# KiCad board data-center-dram-tester.kicad_pcb (continued)
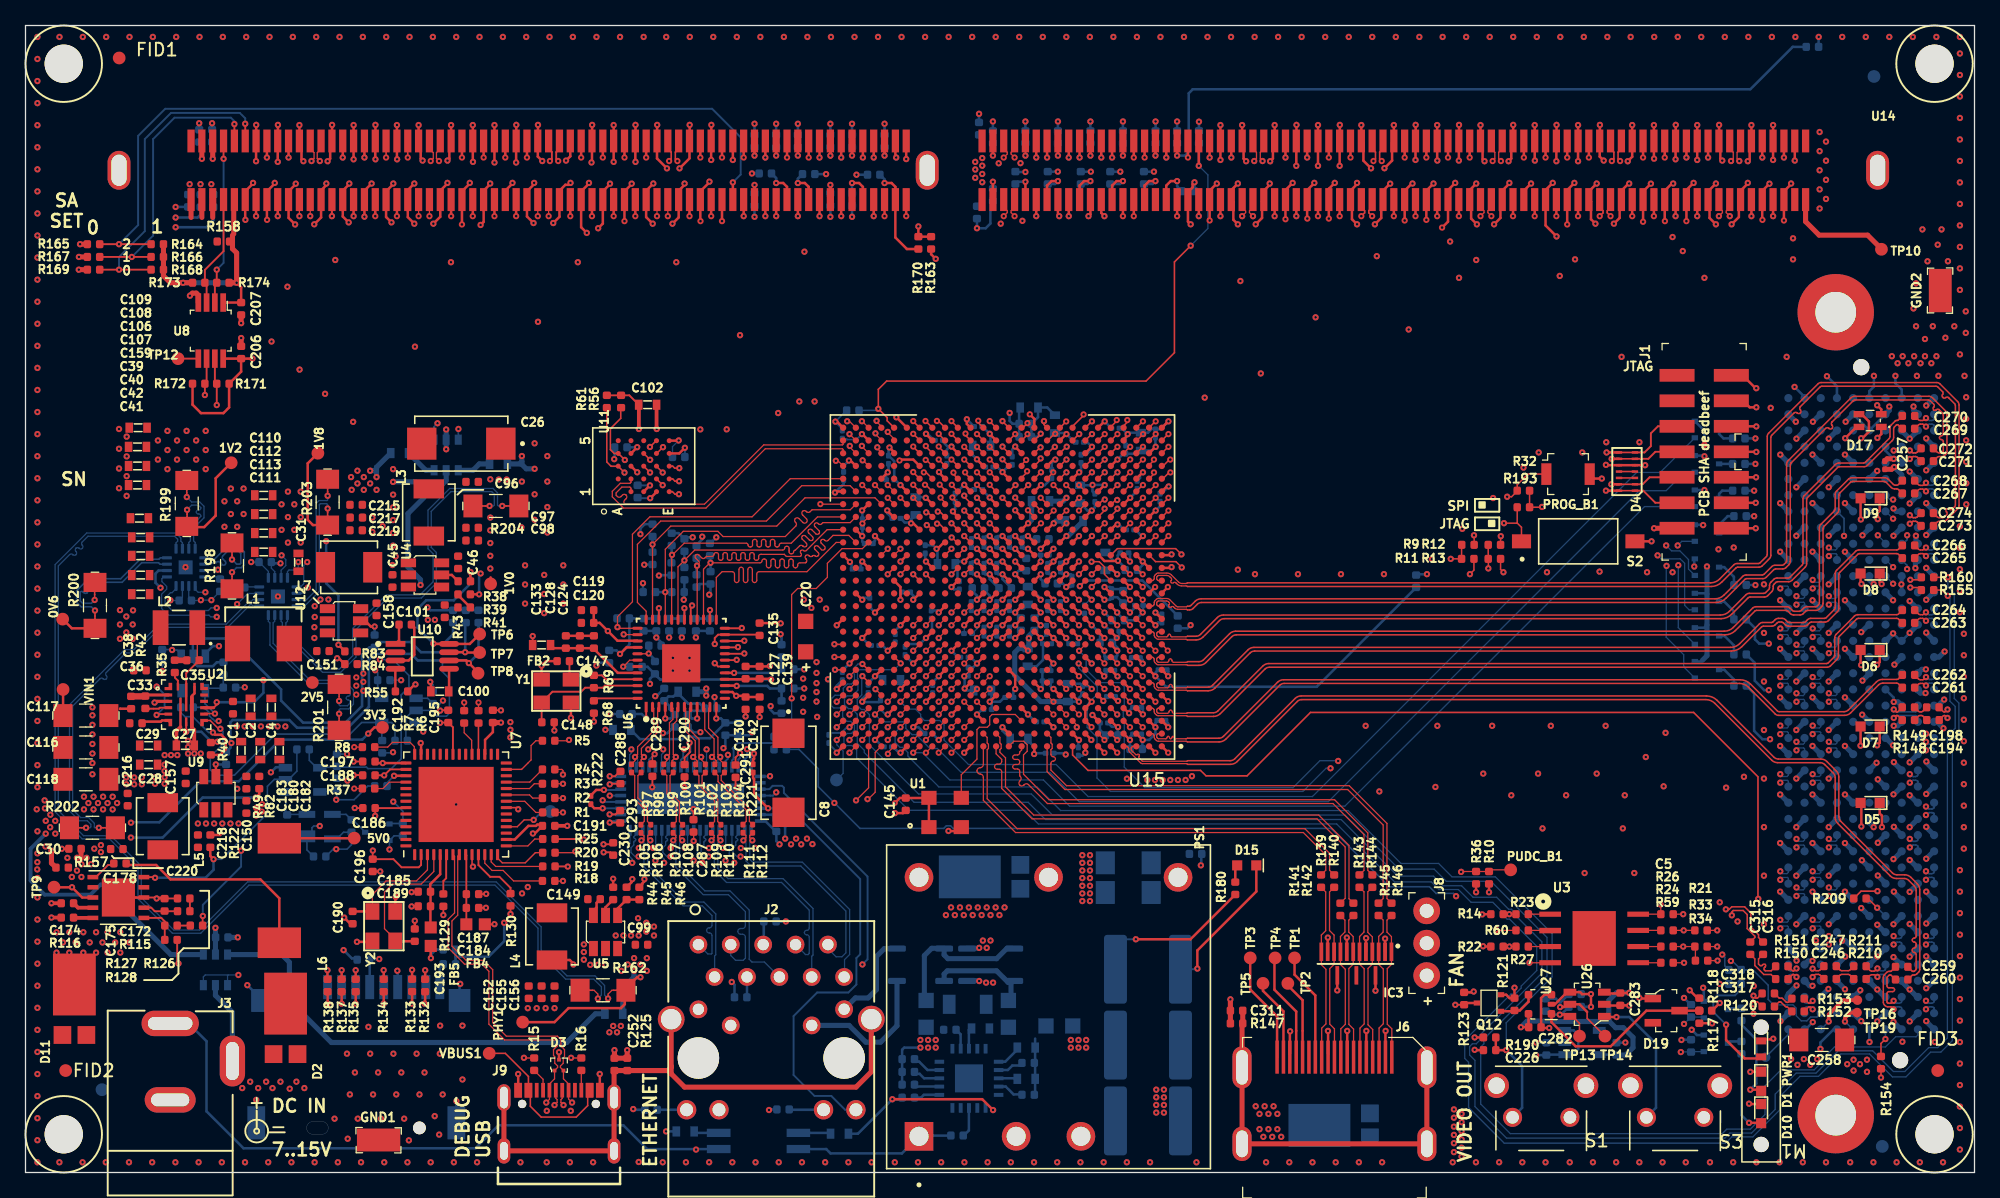
[diagram p0: board, top side]
## Nets (continued)
SD_DAT1: J7.8 R132.2 U15.F8
SD_DAT2: J7.1 R138.2 U15.C9
SD_DAT3: J7.2 R137.2 U15.D9
SDA_2V5: R173.2 U8.3 U14.285
SDA_3V3: R172.2 U8.6 U15.D26 U19.5 U20.5
TCK_JTAG: D4.13 J1.6 R18.2 U15.L8
TDI_JTAG: D4.8 J1.10 R19.2 U15.R6
TDO_JTAG: D4.9 J1.8 R20.2 U15.R7
TMDS_CLK_N: R139.1 U15.A15
TMDS_CLK_P: R140.1 U15.B15
TMDS_D0_N: R141.1 U15.A14
TMDS_D0_P: R142.1 U15.B14
TMDS_D1_N: R143.1 U15.A12
TMDS_D1_P: R144.1 U15.A13
TMDS_D2_N: R145.1 U15.A10
TMDS_D2_P: R146.1 U15.B10
TMS_JTAG: D4.14 J1.4 R25.2 U15.N8
UART0_RX: R6.2 U15.F25
UART0_TX: R7.2 U15.E26
UART1_RX: R8.2 U15.A24
UART1_TX: R37.2 U15.A23
USR_LED1: Q2.1 U15.D21
USR_LED2: Q4.1 U15.B20
USR_LED3: Q3.1 U15.B21
USR_LED4: Q5.1 U15.C22
USR_LED5: Q6.1 U15.E22
VPP: C110.1 C111.1 C112.1 C113.1 C199.1 C200.1 C201.1 C202.1 C203.1 NT5.2 R158.1 R198.2 U14.142 U14.143 U14.286 U14.287 U14.288
VREF_33: C18.1 C146.1 R65.2 R66.1 U15.AE11
VREFCA: U14.146
VRN: R63.1 U15.U9
VRP: R64.1 U15.V12
VTT: C204.1 C205.1 NT6.2 R200.2 U14.77 U14.221
~{ACT}: U14.62 U15.Y8
~{ALERT}: U14.208 U15.AE10
~{CAS}\A15: U14.86 U15.AF13
~{CS0}: U14.84 U15.V9
~{CS1}\NC: U14.89 U15.Y11
~{CS2}\C0: U14.93 U15.V11
~{CS3}\C1,NC: U14.237 U15.W11
~{EVENT}: R163.2 R170.2 U14.78
~{PERST}: J5.D8 R209.1 U15.A8
~{RAS}\A16: U14.82 U15.AA12
~{RESET}: U14.58 U15.AF8
~{SAVE}: U14.230 U15.Y10
~{WE}\A14: U14.228 U15.AA13
Net-(C35-Pad1): C35.1 L2.1 U2.17
Net-(C35-Pad2): C35.2 R35.2
Net-(C46-Pad1): C46.1 L3.1 U4.2
Net-(C46-Pad2): C46.2 U4.6
Net-(C100-Pad2): C100.2 U10.5
Net-(C147-Pad1): C147.1 R69.1 U6.45 Y1.1
Net-(C148-Pad1): C148.1 R69.2 U6.46 Y1.3
Net-(C149-Pad1): C149.1 L4.1 U5.2
Net-(C149-Pad2): C149.2 U5.6
Net-(C157-Pad1): C157.1 L5.1 U9.2
Net-(C157-Pad2): C157.2 U9.6
Net-(C158-Pad1): C158.1 L7.1 U12.2
Net-(C158-Pad2): C158.2 U12.6
Net-(C172-Pad1): C172.1 R115.2
Net-(C174-Pad1): C174.1 IC1.4
Net-(C175-Pad1): C175.1 IC1.7 R115.1
Net-(C178-Pad1): C178.1 D2.C IC1.9 L6.1
Net-(C178-Pad2): C178.2 IC1.1
Net-(C184-Pad1): C184.1 C187.1 FB4.2 U7.9
Net-(C185-Pad1): C185.1 C189.1 FB5.2 U7.5
Net-(C190-Pad1): C190.1 U7.3 Y2.1
Net-(C193-Pad1): C193.1 U7.4 Y2.3
Net-(C221-Pad1): C221.1 J2.4
Net-(C312-Pad1): C312.1 J2.5
Net-(D1-Pad2): D1.2 R30.1
Net-(D5-Pad2): D5.2 R50.1
Net-(D6-Pad2): D6.2 R51.1
Net-(D7-Pad2): D7.2 R52.1
Net-(D8-Pad2): D8.2 R53.1
Net-(D9-Pad2): D9.2 R54.1
Net-(D10-Pad2): D10.2 R31.1
Net-(D15-Pad1): D15.1 R180.1
Net-(D17-Pad2): D17.2 R189.1
Net-(D17-Pad3): D17.3 R188.1
Net-(D17-Pad4): D17.4 R187.1
Net-(D19-Pad3): D19.3 R117.2 R118.2 R120.2 U27.1
Net-(IC1-Pad5): IC1.5 R116.2
Net-(IC1-Pad6): IC1.6 R127.2 R128.1
Net-(IC2-Pad2): IC2.2 R184.1
Net-(IC2-Pad3): IC2.3 R183.2
Net-(J2-Pad15): J2.15 R67.1
Net-(J2-Pad17): J2.17 R62.1
Net-(J5-PadD1): J5.D1 R154.1
Net-(J5-PadF1): J5.F1 TP19.1
Net-(J5-PadH1): J5.H1 TP16.1
Net-(J5-PadK1): J5.K1 TP15.1
Net-(J6-Pad13): J6.13 TP1.1
Net-(J6-Pad15): J6.15 TP2.1
Net-(J6-Pad16): J6.16 TP4.1
Net-(J6-Pad18): J6.18 TP5.1
Net-(J6-Pad19): J6.19 TP3.1
Net-(J7-Pad9): J7.9 R136.2
Net-(J9-PadA5): J9.A5 R15.2
Net-(J9-PadB5): J9.B5 R16.1
Net-(L1-Pad1): L1.1 U2.15
Net-(PWR1-Pad2): PWR1.2 R119.1
Net-(Q1-Pad3): Q1.3 R187.2
Net-(Q2-Pad3): Q2.3 R50.2
Net-(Q3-Pad3): Q3.3 R51.2
Net-(Q4-Pad3): Q4.3 R52.2
Net-(Q5-Pad3): Q5.3 R53.2
Net-(Q6-Pad3): Q6.3 R54.2
Net-(Q7-Pad3): Q7.3 R30.2
Net-(Q8-Pad3): Q8.3 R31.2
Net-(Q9-Pad3): Q9.3 R188.2
Net-(Q10-Pad3): Q10.3 R189.2
Net-(Q11-Pad3): Q11.3 R192.2 U18.3
Net-(Q12-Pad1): Q12.1 R121.1 U27.4
Net-(R1-Pad1): R1.1 U7.22
Net-(R2-Pad1): R2.1 U7.23
Net-(R3-Pad1): R3.1 U7.24
Net-(R4-Pad1): R4.1 U7.25
Net-(R5-Pad1): R5.1 U7.27
Net-(R6-Pad1): R6.1 U7.32
Net-(R7-Pad1): R7.1 U7.33
Net-(R8-Pad1): R8.1 U7.42
Net-(R17-Pad1): R17.1 U17.6
Net-(R18-Pad1): R18.1 U7.12
Net-(R19-Pad1): R19.1 U7.13
Net-(R20-Pad1): R20.1 U7.14
Net-(R23-Pad1): R23.1 U3.1
Net-(R24-Pad1): R24.1 U3.6
Net-(R25-Pad1): R25.1 U7.15
Net-(R26-Pad1): R26.1 U3.7
Net-(R27-Pad1): R27.1 U3.3
Net-(R29-Pad1): R29.1 U17.4
Net-(R35-Pad1): R35.1 U2.18
Net-(R37-Pad1): R37.1 U7.46
Net-(R38-Pad2): R38.2 U4.5
Net-(R39-Pad2): R39.2 R41.1
Net-(R40-Pad1): R40.1 U2.8
Net-(R41-Pad2): R41.2 R43.1 U4.4
Net-(R42-Pad1): R42.1 U2.4
Net-(R44-Pad2): R44.2 U5.5
Net-(R45-Pad2): R45.2 R46.1 U5.4
Net-(R47-Pad2): R47.2 U9.5
Net-(R48-Pad2): R48.2 U12.5
Net-(R49-Pad2): R49.2 R82.1 U9.4
Net-(R55-Pad1): R55.1 U10.4
Net-(R59-Pad1): R59.1 U3.5
Net-(R60-Pad1): R60.1 U3.2
Net-(R68-Pad2): R68.2 U6.48
Net-(R83-Pad2): R83.2 R84.1 U12.4
Net-(R113-Pad1): R113.1 U24.6
Net-(R114-Pad1): R114.1 U24.4
Net-(R126-Pad2): R126.2 R127.1
Net-(R129-Pad2): R129.2 U7.6
Net-(R130-Pad2): R130.2 U7.11
Net-(R163-Pad1): R163.1 U15.Y7
Net-(R194-Pad2): R194.2 U19.16
Net-(R195-Pad2): R195.2 U20.16
Net-(R205-Pad2): R205.2 R206.2 U16.17
Net-(R207-Pad1): R207.1 U15.M6
Net-(S3-Pad1): S3.1 U26.1
Net-(TP11-Pad1): TP11.1 U7.18
Net-(TP12-Pad1): TP12.1 U8.5

Pads without a net: D4 11 12; D19 2; IC3 14; J1 12 14; J5 B4 B5 B8 B9 B24 B25 B28 B29 B40 C10 C11 C14 C15 C18 C19 C22 C23 C26 C27 C34 D9 D11 D12 D14 D15 D17 D18 D20 D21 D23 D24 D26 D27 D32 D35 E2 E3 E6 E7 E9 E10 E12 E13 E15 E16 E18 E19 E21 E22 E24 E25 E27 E28 E30 E31 E33 E34 E36 E37 E39 F4 F5 F7 F8 F10 F11 F13 F14 F16 F17 F19 F20 F22 F23 F25 F26 F28 F29 F31 F32 F34 F35 F37 F38 F40 G2 G3 G15 G16 G34 G36 G37 G39 H4 H5 H13 H14 H31 H32 H34 H35 H37 H38 H40 J6 J7 J15 J16 J30 J31 J33 J34 J36 J37 J39 K13 K14 K29 K31 K32 K34 K35 K37 K38 K40; J6 14; J8 2; J9 A8 B8; PS1 5; U3 9; U6 13 43 47; U7 1 17 19 20 26 28 29 30 34 35 37 38 39 40 47 48 49 51 52 53 54 55 56; U11 A2 A5 B5 C2 C5; U13 10 14 15 20; U14 144 205 227 M; U15 A9 AA10 AB21 AB22 AB24 AB25 AC8 AC21 AC22 AC23 AD8 AD21 AE21 B9 B11 B12 C11 C13 C14 D11 D13 D14 E11 E12 E13 F10 F12 F13 F14 F22 F23 G9 G10 G11 G12 G14 G21 G22 H8 H9 H11 H12 H13 H14 H21 H23 H24 J8 J10 J11 J13 J14 J21 J23 J24 J25 K21 K22 K23 K25 K26 L22 L23 L24 L25 M19 M20 M21 M22 M24 M25 M26 N16 N17 N18 N19 N21 N22 N23 N24 N26 P16 P18 P21 P23 P24 P25 P26 R18 R20 R23 R25 R26 T7 T19 T20 T24 T25 U4 U19 U20 U21 U22 V7 V8 V13 V21 V22 V23 V24 W8 W13 W20 W21 W23; U16 5 22 25; U25 4

## Via types
v1: diameter 0.5, hole 0.2, Top to Bottom, 2198 vias
v2: diameter 0.5, hole 0.2, Top to In2.Cu, 150 vias
v3: diameter 0.5, hole 0.2, Top to In5.Cu, 139 vias
v4: diameter 0.45, hole 0.15, Top to Bottom, 1 via

## Routing (per net, layer and track width the routed paths; a pad name or vN(x,y) marks a point on that pad's centre or on a via; arc(x,y) is an arc through that point)
1V0_SYS: length 39.3
  Top w0.1: v1(84.55,37) 84.55,37.03 ; v1(84.62,38.94) 84.56,39 84.56,39.02
  Top w0.127: NT14.2 R204.2
  Top w0.2: U15.K10 v1(80.64,41.94) U15.J9 ; U15.U15 v1(74.64,49.94) ; U15.L6 v1(84.64,42.94) ; U15.R13 v1(76.64,47.94) ; U15.K8 v1(82.64,41.94) ; U15.R15 v1(74.64,47.94) ; U15.N15 v1(74.64,44.94) ; U15.P14 v1(75.64,46.94) ; U15.L15 74.64,42.94 v1(74.64,42.93) ; 84.56,39.02 U15.G6 ; U15.T14 v1(75.64,48.94) ; U15.M8 v1(82.64,43.94) ; 84.55,37.03 U15.E6 ; U15.N9 v1(81.64,44.94) ; U15.U13 v1(76.64,49.94) ; U15.K12 v1(77.64,41.94) ; U15.J6 v1(84.64,40.94) ; U15.N13 v1(76.64,44.94) ; U15.L9 v1(81.64,42.94) ; 84.14,35.46 v1(83.69,35.9) ; U15.T12 v1(77.64,48.94) ; U15.M14 v1(75.64,43.94) ; U15.L13 v1(76.64,42.94) ; U15.K14 v1(75.64,41.94)
  Bottom w0.1: C70.1 74.64,42.67 v1(74.64,42.93) ; C65.1 75.37,43.94 v1(75.64,43.94) ; v1(74.64,44.94) 74.37,44.94 C64.1 ; C69.1 77.37,41.94 v1(77.64,41.94) ; v1(76.64,42.94) 76.37,42.94 C68.1 ; C50.1 81.37,44.94 v1(81.64,44.94) ; C67.1 75.37,41.94 v1(75.64,41.94) ; C66.1 76.37,44.94 v1(76.64,44.94) ; v1(82.64,41.94) 82.64,41.62 ; 82.99,43.94 v1(82.64,43.94) 83.13,43.94 ; C77.1 80.64,41.67 v1(80.64,41.94)
  Bottom w0.2: v1(84.64,42.94) 85.1,42.47 C240.1 ; 75.21,47.12 C59.1 75.19,47.03 75.28,46.94 v1(75.64,46.94) 75.64,46.56 76.35,45.85 C17.1 ; v1(76.64,49.94) 76.29,49.94 76.19,49.84 C63.1 76.21,49.76 ; C244.1 84.78,40.38 84.64,40.51 v1(84.64,40.94) ; C14.1 74.26,45.64 74.64,45.26 v1(74.64,44.94) ; v1(84.55,37) 84.55,37.07 C242.1 ; C57.1 74.34,49.85 74.55,49.85 v1(74.64,49.94) ; v1(76.64,47.94) 76.4,47.94 76.22,47.76 C62.1 ; C60.1 74.19,47.84 74.29,47.94 v1(74.64,47.94) ; 84.72,34.3 84.28,34.73 C241.1 83.69,35.86 v1(83.69,35.9) ; v1(75.64,48.94) 75.34,48.94 75.19,49.09 C61.1 ; C243.1 84.77,39.08 v1(84.62,38.94) ; C144.1 78.39,48.19 v1(77.64,48.94) 77.31,48.94 77.19,49.06 C58.1
  Bottom w0.4: 38.94,55.79 v1(38.94,56.21) ; 38.94,55.79 38.75,55.6 R29.2 ; 38.94,55.79 38.94,55.56 39.29,55.21 v1(39.94,55.21)
  vias: v1(38.94,54.21) v1(38.9,50.62) v1(39.94,57.21) v1(39.94,53.21) v1(39.94,51.21) v1(40.94,56.21) v1(40.94,54.21) v1(40.94,52.21) v1(40.94,50.21) v1(61,38.75) v1(61,37.25) v1(61,36.15) v1(62.05,40.05) v1(62.05,39.2) v1(62.05,38.4) v1(62.05,37.7) v1(62.05,36.95) v1(62.1,35.75) v1(62.95,38.7)
1V2_SYS: length 75.5
  Top w0.1: v1(87.65,35.95) 87.63,35.95
  Top w0.12: R162.2 NT16.2
  Top w0.15: 57.52,42.2 U6.23 54.33,42.2 54.07,41.94 v1(54.07,41.47) ; U6.30 v1(51.69,44.28) ; U6.18 54.32,39.7 v1(54.07,39.96) ; FB2.2 v1(39.79,42.09) ; v1(53.69,44.13) 53.69,44.12 U6.26
  Top w0.2: C119.1 C120.1 45.04,43.13 v1(45.68,42.48) 46.44,41.73 47.99,41.73 U6.39 ; 48.24,15.32 47.97,15.32 47.01,14.36 47.01,13.21 46.7,12.9 42.6,12.9 ; 42.6,12.9 41.5,11.8 39.05,11.8 ; U6.14 55.45,37.7 v1(55.75,37.4) 56.4,37.4 C130.1 C142.1 ; 87.63,35.95 U15.D3 ; U15.G2 v1(88.64,38.94) ; U15.M5 v1(85.64,43.94) ; U15.L2 v1(88.64,42.94) ; U15.B3 v1(87.64,33.94) ; U15.C2 v1(88.64,34.94) ; U15.M3 v1(87.64,43.94) ; U15.H3 v1(87.64,39.94)
  Bottom w0.1: v1(85.64,43.94) 85.64,43.9
  Bottom w0.2: C126.1 C141.1 53.69,44.12 v1(53.69,44.13) ; v1(51.69,44.28) 51.69,43.66 C138.1 C122.1 ; 85.64,43.9 R207.2 87.02,43.33 v1(87.64,43.94) 87.67,43.97 C254.1 ; C250.1 88.88,39.45 88.64,39.21 v1(88.64,38.94) 89.47,38.11 101.29,38.11 C314.1 ; C249.1 87.55,36.5 87.65,36.4 v1(87.65,35.95) ; 87.52,34.36 C248.1 87.53,34.4 87.64,34.29 v1(87.64,33.94) ; C256.1 87.61,33.91 v1(87.64,33.94) ; v1(87.64,33.94) 88.14,33.94 88.64,34.44 v1(88.64,34.94) 88.64,35.26 88.78,35.41 C255.1 ; C251.1 87.45,40.4 87.64,40.21 v1(87.64,39.94) ; v1(88.64,42.94) 88.85,43.15 C253.1
  Bottom w0.4: 47.72,15.32 47.72,15.8 v1(47.74,15.82) ; 47.72,15.32 46.85,14.45 R113.2 ; 47.72,15.32 v1(48.24,15.32) ; v1(53.4,37.42) v1(53.4,37.97) 53.4,37.8 53.32,37.72 FB3.2
  vias: v1(46.74,15.82) v1(47.24,16.32) v1(47.74,16.82) v1(48.24,16.32) v1(48.74,16.82) v1(48.74,15.82) v1(88,30.8) v1(88.6,30.8) v1(89.2,30.8) v1(89.8,30.8) v1(90.4,30.8) v1(91,30.8) v1(91.5,31.1)
1V8_FT: length 11.3
  Top w0.15: v1(27.25,25.26) 27.24,25.25 C196.1 28.86,24.59 29.5,23.95 30.85,23.95 31.03,24.13 U7.2
  Top w0.2: 27.54,32.12 v1(28.02,32.12) 29.84,32.12 U7.43 ; U7.31 36.05,32.84 36.05,33.95 36.66,34.56 C195.1
  Top w0.4: v1(37.3,35.3) C195.1
  vias: v1(38.04,35.34) v1(38.04,34.74) v1(38.04,34.14)
1V8_SYS: length 32.8
  Top w0.127: NT13.2 R203.2
  Top w0.2: U15.T8 v1(81.64,47.94) U15.R9 ; U15.M12 v1(77.64,43.94) ; U15.P8 v1(81.64,45.94) ; U15.L11 v1(79.64,42.94) ; U15.U11 v1(78.64,49.94) ; U15.M10 v1(80.64,43.94) ; U15.P10 v1(80.64,46.94) ; U15.E8 v1(82.64,36.94) ; U15.T10 v1(80.64,48.94) ; U15.N6 v1(84.64,44.94)
  Bottom w0.1: C55.1 77.37,43.94 v1(77.64,43.94) 77.66,43.94 C7.1 ; C51.1 80.37,43.94 v1(80.64,43.94) ; C115.1 79.55,42.94 v1(79.64,42.94) 80.04,42.94
  Bottom w0.2: v1(80.64,46.94) 80.34,46.94 80.19,47.09 C49.1 ; C239.1 85.65,45.14 C238.1 85.2,45.06 85.08,44.94 v1(84.64,44.94) ; v1(80.64,48.94) 80.27,48.57 C9.1 ; C19.1 81.36,46.21 v1(81.64,45.94) 81.94,45.94 82.09,46.09 C11.1 ; C53.1 82.64,37.24 v1(82.64,36.94) ; C22.1 78.3,44.25 77.95,44.25 v1(77.64,43.94) ; C47.1 81.21,47.78 81.38,47.95 81.63,47.95 v1(81.64,47.94) ; C114.1 82.63,36.95 ; C56.1 78.19,49.76 78.36,49.94 v1(78.64,49.94) 78.88,49.7 C16.1
  Bottom w0.4: 27.54,55.34 27.54,55.24 27.36,55.06 v1(27.04,55.06) ; 27.54,55.34 v1(27.54,54.56) ; 27.54,55.34 R17.2 ; C114.1 79.65,36.95 77.6,39 77.6,40.8 77.91,41.11 C25.1 78.7,41.2 v1(78.7,41.92) 78.7,42.09 C115.1
  vias: v1(25.54,54.56) v1(25.59,53.56) v1(26.04,55.06) v1(26.04,54.06) v1(26.54,54.56) v1(26.54,53.56) v1(27.04,54.06) v1(27.54,53.56)
3V3_SYS: length 322.9
  Top w0.1: 126.93,20.27 C5.1 128.28,21.01 v1(128.26,21.03) ; C287.1 52.41,26.7 v1(52.41,26.01) ; R33.1 v1(132.7,17.73) ; R21.1 v1(132.7,19) ; 79.14,32.86 v1(79.12,32.84)
  Top w0.12: R32.1 R193.2 118.93,52.2 v1(118.96,52.22) ; R9.2 113.63,49.99 v1(113.62,50) ; v1(115.72,49.92) 115.71,49.91 R12.2
  Top w0.127: R154.2 v1(145.55,7.45) ; v1(49.35,32.83) 49.18,32.65 C289.1 ; U15.AC25 64.64,55.94 ; U15.AD22 68.14,56.52 ; R209.2 143.99,22.08 v1(145.28,22.08) ; 148.72,45.7 148.51,45.9 v1(147.85,45.9) ; NT12.2 R202.2 ; v1(147.85,46.51) 148.52,46.51 148.72,46.7
  Top w0.15: U6.34 v1(49.69,44.28) ; 46.66,28.36 46.53,28.36 46.28,28.1 v1(45.82,28.1) ; C290.1 51.7,32.56 52.1,32.96 52.1,33.7 v1(52.09,33.72) ; v1(45.83,31.09) 46.24,31.09 46.62,31.47 C288.1 ; v1(27.43,27.98) 27.43,27.99 C186.1 29.81,28.59 U7.50 ; C188.1 28.13,31.17 ; C291.1 55.7,32.57 v1(56.05,32.91) ; FB4.1 36.78,19.47 v1(36.79,19.48) ; R130.1 v1(38.05,20.28) ; v1(45.34,25.75) 45.99,25.75 C230.1 ; v1(28.14,31.16) 28.6,31.63 U7.44 ; v1(32.52,35.28) 32.54,35.3 C192.1 33.53,34.93 U7.36 ; C102.1 47.37,60.98 45.81,60.98
  Top w0.2: U6.16 56.45,38.7 ; C127.1 C139.1 58.43,38.74 v1(58.49,38.68) ; v1(105.9,14.27) 105.9,14.27 IC3.15 ; 102.9,15.5 102.9,14.29 ; v1(51.72,56.87) 51.28,56.42 U11.E4 ; 49.52,53.42 49.02,52.92 ; 47.48,56.4 47.98,56.9 ; U15.F26 v1(63.64,37.94) ; U15.E9 v1(80.64,37.94) ; U15.G13 77.64,38.94 v1(77.64,37.94) ; U15.Y24 66.11,52.44 v1(65.62,51.95) ; U15.M18 v1(71.64,43.94) ; v1(145.27,57.64) 145.57,57.94 D17.1 ; 114.95,20.27 114.29,20.27 v1(114.27,20.25) ; v4(68.2,29) 68.59,29.39 C145.1 70.85,29.39 U1.4 ; 70.87,29.09 70.87,26.79 ; U15.G23 v1(66.64,38.94) ; C206.1 v1(17.81,63.86) ; C206.1 U8.8 ; C206.1 16.92,62.84 R171.1 15.97,60.03 15.52,59.58 13.77,59.58 13.1,60.25 R172.1 ; v1(46.64,40.69) 47.15,41.2 U6.40 ; v1(135.2,5.4) 135.23,5.37 D10.1 ; U15.C25 v1(64.64,34.94) ; R10.1 v1(114.8,21.99) ; v1(135.3,7.9) 135.31,7.91 D1.1 ; v1(145.25,33.52) 145.45,33.72 D7.1 ; v1(137.1,10.5) 137.05,10.45 136.15,10.45 ; v1(30.3,13.25) 30.32,13.28 R133.1 ; U15.V20 69.64,50.94 v1(69.47,50.94) ; v1(31.3,13.25) 31.35,13.3 R132.1 ; R138.1 v1(23.7,13.25) ; v1(145.6,46.17) 145.45,46.33 D8.1 ; v1(145.62,27.1) 145.62,28 145.45,28.17 D5.1 ; U15.E19 v1(70.64,36.94) ; U15.C15 v1(74.64,35.94) ; R137.1 v1(24.8,13.25) ; v1(113.68,10.6) R190.1 ; D6.1 145.45,40.05 v1(145.25,39.84) ; R135.1 v1(25.9,13.25) ; U15.L21 v1(68.64,42.94) ; v1(39.8,26.6) 39.95,26.6 C191.1 40.45,27.3 40.15,27.3 40.05,27.2 39.45,27.2 38.38,26.13 U7.16 ; 114.95,17.73 114.36,17.73 v1(114.34,17.75) ; U15.H20 v1(69.64,39.94) ; R134.1 v1(28.1,13.25) ; v1(31.8,16.83) 31.79,16.84 FB5.1 ; U15.AA21 v1(68.64,53.94) ; U15.H10 v1(80.64,39.94) ; 68.14,56.52 v1(67.77,56.89) ; D9.1 145.45,51.92 145.29,51.77 v1(145.29,51.27) ; U15.L7 v1(83.64,42.94) ; U15.A11 79.14,32.86 ; U15.AF26 63.66,58.92 v1(63.53,58.92) ; U15.A21 v1(68.64,32.94) ; U15.T6 84.18,48.44 84.64,47.98 85.68,47.98 v1(85.7,48) ; U15.J17 v1(72.64,40.94) ; U15.B18 v1(71.64,33.94) ; v1(64.59,55.87) 64.71,55.87 U15.AC25 ; U15.U23 v1(66.64,49.94) ; U15.D12 v1(78.64,35.94) ; U15.D22 v1(67.64,35.94) ; U15.B8 v1(82.64,33.94) ; U15.F16 v1(73.67,37.97)
  Top w0.3: v1(48.12,58.34) 48.12,60.23 C102.1
  Top w0.4: J1.2 v1(127.75,50.55)
  In3.Cu w0.25: v1(91.39,42.95) 90.91,43.43 83.43,43.43 83.3,43.3 83.3,43.05 83.41,42.94 v1(83.64,42.94)
  In3.Cu w0.4: v1(64.59,55.87) 64.57,55.87 63.6,54.9 ; v1(68.64,53.94) 68.13,53.43 65.07,53.43 63.6,54.9 ; 63.6,54.9 62.9,54.9 62.6,55.2 62.6,58.7 62.82,58.92 v1(63.53,58.92)
  In5.Cu w0.2: v1(145.6,46.17) 146.12,45.66 147.79,45.66 147.85,45.72 v1(147.85,45.9) ; 150.25,50.65 148.85,50.65 148.64,50.44 146.12,50.44 v1(145.29,51.27) ; 150.64,40.44 145.84,40.44 v1(145.25,39.84) ; 150.26,32.69 146.07,32.69 v1(145.25,33.52) ; 150.64,56.86 149.18,56.86 148.63,57.41 148.63,57.41 147.99,58.05 145.68,58.05 v1(145.27,57.64) ; 150.53,21.55 145.8,21.55 v1(145.28,22.08) ; v1(145.62,27.1) 146.12,27.6 147.96,27.6 148.63,26.93 148.63,26.93 148.91,26.65 150.45,26.65
  In5.Cu w0.3: v1(115.72,49.92) 113.7,49.92 v1(113.62,50) ; v1(118.96,52.22) 118.96,51.59 119.85,50.7 119.85,50.55
  In5.Cu w0.4: v1(115.72,49.92) 119.12,49.92 119.75,50.55 119.85,50.55
  In5.Cu w1: 119.85,50.55 v1(127.75,50.55) 128.87,51.67 131.57,51.67 133.6,53.7 133.6,60.6 135.51,62.51 139.85,62.51 140.96,61.4 149.6,61.4 150.25,60.75
  Bottom w0.1: C235.1 19.28,47.42 19.55,47.15 U20.2 ; v1(52.41,26.01) 52.41,26.01 U16.38 ; R195.1 15.57,45.9 R194.1 14.58,44.92 v1(14.58,44.91) v1(13.76,44.91) 13.73,44.88 C234.1 12.81,45.09 U19.2
  Bottom w0.12: v1(133.1,17.1) 133.3,16.9 133.3,16.22 133.62,15.9
  Bottom w0.127: R186.2 64.41,59.8 v1(63.53,58.92)
  Bottom w0.15: v1(49,52.91) 48.11,52.91 ; C306.1 63.17,34.49 63.99,34.49 64.44,34.94 v1(64.64,34.94) ; C302.1 67.07,36.33 67.46,35.94 v1(67.64,35.94) ; U16.4 48.91,32.39 v1(49.35,32.83) ; 51.72,56.15 v1(51.72,56.87) ; v1(52.09,33.72) 52.16,33.65 52.16,33.02 51.91,32.77 U16.10 ; v1(56.05,32.91) 56.05,32.54 55.91,32.4 U16.18 ; v1(45.82,28.1) 45.84,28.08 U16.50 ; v1(45.83,31.09) 45.84,31.08 U16.56
  Bottom w0.2: R79.2 48.8,39.68 49.59,38.89 49.59,38.88 49.79,38.68 v1(58.49,38.68) ; R67.2 47.73,4.92 ; v1(58.32,4.9) 58.37,4.95 R62.2 ; R81.2 v1(61.09,39.48) ; R80.2 v1(61.09,37.98) ; 48.47,43.48 R78.2 47.37,41.42 v1(46.64,40.69) 46.36,40.96 C136.1 ; C123.1 C131.1 49.69,43.66 v1(49.69,44.28) ; v1(54.19,49.84) 53.71,49.36 R73.2 ; v1(68.64,42.94) 68.22,42.53 C95.1 ; v1(78.64,35.94) 79.22,35.36 C304.1 ; R70.2 51.24,50.16 R71.2 ; C84.1 68.05,33.4 68.51,32.94 v1(68.64,32.94) 68.56,32.94 ; C15.1 78.64,33.89 79.12,33.4 79.12,32.84 v1(79.12,32.84) 79.18,32.9 C305.1 ; C83.1 71.17,34.41 v1(71.64,33.94) ; C307.1 71.16,37.46 v1(70.64,36.94) ; FB1.1 46.07,34.74 v1(45.49,34.74) ; v1(63.64,37.94) 63.64,38.19 C87.1 ; v1(66.64,49.94) 66.64,49.59 66.47,49.42 C94.1 ; C12.1 84.71,48.64 85.35,48 v1(85.7,48) ; v1(63.53,58.92) 64.07,58.38 C90.1 ; v1(67.77,56.89) 67.7,56.82 C89.1 67.71,56.25 68.15,55.81 C92.1 68.23,54.35 v1(68.64,53.94) ; v1(129.9,10.4) 129.92,10.42 R28.1 ; R76.2 48.99,38.73 v1(48.99,38.34) ; R72.2 52.64,49.24 53.09,49.69 v1(53.09,49.89) ; R57.1 130.63,13.17 v1(130.1,13.7) ; v1(74.64,35.94) 75.03,36.33 C308.1 ; v1(31.8,16.83) 31.8,17.1 32.19,17.49 R131.1 ; v1(77.64,37.94) 77.5,37.8 C310.1 ; U16.27 58.56,28.08 C292.1 58.97,27.73 59.59,27.11 v1(59.59,26.2) ; v1(48.44,46.24) 48.44,45.55 R74.2 ; J7.4 27,16.75 ; v1(85.7,48) 85.68,48.02 85.68,48.42 C300.1 ; v1(85.7,48) 86.26,47.43 C37.1 ; R71.2 51.81,49.84 v1(52.34,49.84) ; R71.2 51.71,49.71 ; C13.1 84.29,42.29 v1(83.64,42.94) ; C91.1 64.18,55.45 v1(64.59,55.87) ; v1(65.62,51.95) 65.65,51.92 C93.1 ; v1(80.64,39.94) 80.41,39.71 C303.1 ; C85.1 82.59,33.89 v1(82.64,33.94) ; C10.1 27.03,16.75 v1(27.75,16.75) ; v1(91.39,42.95) 91.15,42.7 R58.1 ; C88.1 69,40.58 v1(69.64,39.94) ; C105.1 47.97,56.9 v1(47.98,56.91) ; v1(10.59,45.88) 10.2,46.27 10.2,47 10.43,47.23 U19.6 ; v1(72.64,40.94) 73.15,40.42 C309.1 ; C299.1 66.1,38.4 v1(66.64,38.94) 67.09,38.94 67.24,38.79 C3.1 ; v1(20,47.8) 19.39,47.8 C235.1 ; C78.1 73.82,37.83 v1(73.67,37.97) 73.67,38.69 73.95,38.97 C82.1 ; v1(48.24,50.09) 48.24,50.54 48.57,50.87 R75.2 ; C6.1 69.47,51.24 v1(69.47,50.94) 69.41,51 68.97,51 68.65,51.33 C298.1 ; C301.1 71.48,44.09 v1(71.64,43.94) ; v1(80.64,37.94) 80.42,38.16 C86.1
  Bottom w0.3: v1(1.59,26.59) 0.4,25.4 0.4,22.9 1.5,21.8 5.1,21.8 5.9,22.6 R114.2
  vias: v1(1.5,29.2) v1(1.53,28.58) v1(1.59,27.59) v1(1.94,27.09) v1(1.95,28.08) v1(2.34,27.59) v1(2.34,26.59) v1(47.67,4.98) v1(102.9,14.29) v1(146.4,64.05) v1(146.85,63.5) v1(147.25,64.05) v1(147.7,63.5) v1(148.15,64.05) v1(148.65,63.5) v1(149,64.05) v1(149.5,63.5) v1(149.9,64.05)
5V0_SYS: length 129.9
  Top w0.127: NT11.2 R201.2
  Top w0.2: U10.1 29.3,41.75 29.3,42.71 ; v1(14.7,34.53) 14.88,34.35 15.35,34.35 15.7,34 15.7,33.2 15.27,32.77 R40.2 ; C150.1 17.53,29.16
  In2.Cu w0.4: v1(14.9,19.2) 18.2,19.2 18.5,19.5 18.5,27.6 v2(18.1,28)
  In7.Cu w1: J8.1 106.66,12.2 91.3,12.2 87.55,8.45 72.25,8.45 66.9,3.1 52,3.1 51.25,2.35 49.65,2.35 48.6,3.4 48.6,9.7 47.1,11.2 46,11.2
  Bottom w0.127: C232.1 26.85,30.33 25.78,29.25 v1(24.38,29.25) 24.43,29.3 C236.1 24.36,29.9 23.12,29.9 ; 12.17,38 12.17,36.51 C237.1 12.19,36.09 12.5,35.77 13.12,35.77 14.36,34.53 v1(14.7,34.53) ; U18.4 24.43,26.18 24.95,26.7 R192.1 25.57,25.72 25.22,25.38 v1(24.38,25.38) 24.13,25.38 C233.1 ; v1(27.43,39.41) 27.62,39.22 C275.1 27.62,38.09 27.95,37.77 27.95,37.21
  Bottom w0.2: R88.1 R87.1 R86.1 31.76,44.11 v1(31.54,44.34)
  Bottom w0.4: v1(30.99,46.1) 30.99,46.51 30,47.5 30,51.7 31.99,53.69 C284.1 32.24,54 32.7,54 33,54.3 U17.5 ; U24.5 v1(14.9,19.2)
  vias: v1(45.8,11) v1(46.1,11.5) v1(46.3,18.6) v1(46.4,11) v1(46.7,11.5) v1(46.9,18.6) v1(47.5,18.6) v1(48.1,18.6) v2(18.1,28.6) v2(18.54,28.32) v2(18.56,28.9) v2(25.95,38.85) v2(25.95,38.2) v2(25.95,37.5) v2(26.5,39.15) v2(26.5,38.5) v2(26.5,37.8)
5V_ON_OFF: length 20.5
  Top w0.2: 123.75,14.05 125.06,14.05 C283.1 125.78,14.08 v1(125.8,14.1) ; U27.5 117.9,11.42 C282.1 v1(117.3,11.4)
  Bottom w0.2: U25.5 124.76,9.25 C281.1
  Bottom w0.4: v1(117.3,11.4) 117.78,11.88 119.75,11.88 119.78,11.85 124.06,11.85 124.2,11.99 ; C281.1 125.51,9.22 126.1,9.8 126.1,10.6 125.34,11.36 124.74,11.36 124.2,11.9 124.2,11.99 ; 124.2,11.99 124.2,13.5 124.8,14.1 v1(125.8,14.1)
/Ethernet/AVDDH: length 14.5
  Top w0.15: U6.1 v1(48.69,35.63) ; U6.12 v1(54.19,35.63)
  Bottom w0.2: v1(48.69,35.63) 48.34,35.97 C132.1 47.49,35.88 FB1.2 48.21,34 51.53,34 51.71,34.19 52.51,34.19 52.62,34.08 53.69,34.08 C137.1 ; C140.1 C137.1 ; C137.1 54.56,35.63 v1(54.19,35.63)
/Ethernet/AVDDL: length 10.6
  Top w0.15: U6.4 v1(50.19,35.63) ; U6.9 v1(52.69,35.63)
  Bottom w0.2: v1(52.69,35.63) 52.27,35.63 51.97,35.94 C125.1 51.99,35.94 52.28,36.22 53.06,36.22 C134.1 52.89,36.8 51.97,36.8 51.2,37.58 FB3.1 50.82,37.35 50.44,37.35 C121.1 50.5,36.61 50.5,36.36 C129.1 50.62,35.63 v1(50.19,35.63)
/Ethernet/AVDDL_PLL: length 7.7
  Top w0.2: 44.59,41.08 46.46,39.2 U6.44 ; C124.1 C128.1 C133.1 41.44,41.14 FB2.1
/Ethernet/VDD: length 17.3
  Top w0.2: R180.2 91.38,18.3 v1(87.1,18.3)
  Bottom w0.15: C224.1 85.5,18.12 85.68,18.3 v1(87.1,18.3)
  Bottom w0.2: v1(70.2,9.8) 68.93,9.8 68.76,9.64 R182.2 R181.2
  vias: v1(70.2,10.4) v1(70.8,10.4) v1(70.8,9.8) v1(71.4,10.4) v1(71.4,9.8) v1(82,10.4) v1(82,9.8) v1(82.6,10.4) v1(82.6,9.8) v1(83.2,10.4) v1(83.2,9.8)
/Ethernet/VDD_RAW: length 11.7
  Bottom w0.4: 77.46,17.59 77,17.59 76.18,16.78 72.35,16.78 72.06,17.08 72.06,17.59 71.08,17.59 70.51,17.03 70.51,13.47
/Ethernet/VSS: length 4.4
  Bottom w0.2: R161.1 79.2,6.16 79.2,10.5
/Ethernet/VSS_RAW: length 7.7
  Bottom w0.4: 72.06,15.06 72.06,15.58 72.31,15.83 76.18,15.83 77.09,14.91 77.31,14.91 77.31,13.47
/Supply/1V0_SEN_+: length 32
  Top w0.127: NT10.1 v1(36.4,52.3)
  Bottom w0.1: v1(36.4,52.3) 36.7,52.3 36.78,52.38 36.78,53.22 36.57,53.42 33.38,53.42 31.82,51.87 31.82,49.05 32.22,48.65 32.22,46.25 31.05,45.08 28.4,45.08 25.93,42.6 25.93,40.45 24.73,39.25 23.3,39.25 20.15,42.4 20.15,43.15 20.05,43.25 U20.10
/Supply/1V0_SEN_-: length 32
  Top w0.127: 37.72,52.3 v1(37.4,52.3)
  Bottom w0.1: U20.9 20.55,43.25 20.42,43.12 20.42,42.48 23.4,39.5 24.62,39.5 25.68,40.55 25.68,42.7 28.3,45.33 30.95,45.33 31.97,46.35 31.97,48.55 31.57,48.95 31.57,51.98 33.27,53.67 36.68,53.67 37.03,53.33 37.03,52.38 37.1,52.3 v1(37.4,52.3)
/Supply/1V8_SEN_+: length 10.4
  Top w0.127: NT9.1 v1(23.7,52.1)
  Bottom w0.1: v1(23.7,52.1) 23.7,52.4 23.62,52.48 23.13,52.48 23.05,52.4 23.05,45.6 22.03,44.58 21.85,44.58 21.72,44.45 U20.8
/Supply/1V8_SEN_-: length 10.4
  Top w0.127: v1(23.7,53.1) NT13.1
  Bottom w0.1: v1(23.7,53.1) 23.7,52.78 23.65,52.73 23.02,52.73 22.8,52.5 22.8,45.7 21.92,44.83 21.85,44.83 21.72,44.95 U20.7
/Supply/3V3_SEN_+: length 29.7
  Top w0.127: 6.07,27.05 v1(5.75,27.05)
  Bottom w0.1: v1(5.75,27.05) 5.45,27.05 5.4,27.1 5.4,27.4 4.95,27.85 4.33,27.85 3.7,28.48 3.7,36.6 5.84,38.74 arc(5.97,38.79) 6.09,38.74 6.1,38.74 arc(6.22,38.69) 6.34,38.74 arc(6.39,38.86) 6.34,38.98 6.34,38.99 arc(6.29,39.11) 6.34,39.24 7.88,40.78 8.6,40.78 10.6,42.78 15.85,42.78 17.65,44.58 17.72,44.58 17.85,44.45 U20.13
/Supply/3V3_SEN_-: length 29.7
  Top w0.127: 4.43,27.05 v1(4.75,27.05)
  Bottom w0.1: v1(4.75,27.05) 5.05,27.05 5.12,27.12 5.12,27.32 4.85,27.6 4.22,27.6 3.45,28.37 3.45,36.7 7.77,41.03 8.5,41.03 10.5,43.03 15.75,43.03 17.55,44.83 17.72,44.83 17.85,44.95 U20.14
/Supply/5V0_SEN_+: length 13.1
  Top w0.1: NT7.1 v1(24.6,36)
  Bottom w0.1: v1(24.6,36) 24.6,36.3 24.68,36.38 25.35,36.38 25.72,36.75 25.72,37.85 24.95,38.62 22.32,38.62 19.42,41.52 19.42,43.12 19.55,43.25 U20.11
/Supply/5V0_SEN_-: length 13.1
  Top w0.1: NT11.1 v1(24.6,37)
  Bottom w0.1: U20.12 19.05,43.25 19.17,43.12 19.17,41.41 19.16,41.39 22.18,38.38 24.85,38.38 25.47,37.75 25.47,37.53 arc(25.43,37.42) 25.32,37.38 25.31,37.38 arc(25.2,37.33) 25.16,37.22 arc(25.2,37.12) 25.31,37.08 25.32,37.08 arc(25.43,37.03) 25.47,36.92 25.47,36.85 25.25,36.62 24.68,36.62 24.6,36.7 v1(24.6,37)
/Supply/VCC1V2_SEN_+: length 87.5
  Top w0.1: NT15.1 44.6,14.3 44.9,14 v1(44.9,13.65)
  Bottom w0.1: 12.31,48.94 12.31,49.42 12.19,49.54 12.19,49.79 11.8,50.17 4.8,50.17 2.33,47.7 2.33,28.3 4.45,26.17 6.6,26.17 8.83,23.95 8.83,21.47 11.52,18.78 13.75,18.78 17.53,22.55 36.82,22.55 40.2,19.17 40.2,17.35 42.37,15.17 44.57,15.17 45.18,14.57 45.18,13.92 v1(44.9,13.65)
/Supply/VCC1V2_SEN_-: length 87.5
  Top w0.1: NT16.1 46,14.3 45.7,14 v1(45.7,13.65)
  Bottom w0.1: v1(45.7,13.65) 45.43,13.92 45.43,14.68 44.68,15.42 42.48,15.42 40.45,17.45 40.45,19.28 36.93,22.8 17.42,22.8 13.65,19.03 11.63,19.03 9.08,21.58 9.08,24.05 6.7,26.42 4.55,26.42 2.58,28.4 2.58,47.6 3.46,48.48 arc(3.58,48.54) 3.71,48.48 3.71,48.48 arc(3.84,48.43) 3.96,48.48 arc(4.01,48.6) 3.96,48.73 3.96,48.73 arc(3.9,48.86) 3.96,48.98 arc(4.08,49.03) 4.2,48.98 4.21,48.97 arc(4.33,48.92) 4.46,48.97 arc(4.51,49.1) 4.46,49.22 4.45,49.23 arc(4.4,49.35) 4.45,49.47 4.9,49.92 11.7,49.92 11.94,49.69 11.94,49.53 11.81,49.41 11.81,48.94
/Supply/VCC_AUX_EN: length 59.1
  Top w0.2: U10.7 v1(34.49,40.83) 34.52,40.8 TP7.1
  In2.Cu w0.127: v1(32.32,58.79) 32.32,56.28 32.9,55.7 32.9,48.4 34.49,46.81 v1(34.49,40.83)
  Bottom w0.127: U17.1 32.05,58.52 v1(32.32,58.79)
  Bottom w0.2: 34.49,43.05 v1(34.49,40.83) 31.03,40.83 30.22,41.62 27.81,41.62 R48.1 26.98,41.2 26.4,40.62 26.4,36.6 25.1,35.3 21.78,35.3 20.05,37.03 20.05,37.9 16.05,41.9 13.42,41.9 13.12,41.6 13.12,40.09 13.49,39.73 14.7,39.73 15.01,40.03 R197.1
/Supply/VCC_INT_EN: length 29.6
  Top w0.2: TP6.1 34.85,41.47 U10.8 32.03,41.47 v1(32,41.5) ; R38.1 v1(34.91,47.12)
  In2.Cu w0.127: v1(33.96,58.34) 33.96,54.24 33.3,53.58 33.3,48.73 v1(34.91,47.12)
  Bottom w0.127: U17.3 33.95,58.33 v1(33.96,58.34)
  Bottom w0.2: R86.2 33.54,42.23 32.81,41.5 v1(32,41.5) 30.75,42.75 30.75,44.22 31.43,44.9 33.6,44.9 34.91,46.21 v1(34.91,47.12)
/Supply/VCC_IO_EN: length 92.9
  Top w0.2: R44.1 v1(46.1,23.05) ; U10.6 34.57,40.17 v1(34.78,39.97) 35.5,39.25
  In7.Cu w0.1: v1(16.15,33.7) 16.15,31.75 12.9,28.5 12.9,19.3 v1(16.7,15.5)
  In7.Cu w0.15: v1(34.78,39.97) 39.1,39.97 42.95,36.12 42.97,36.12 44.85,34.25 44.85,24.3 v1(46.1,23.05)
  Bottom w0.1: U24.1 15.85,15.45 15.9,15.5 ; 15.9,15.5 14.1,15.5 13.95,15.35 U24.3 ; 15.9,15.5 v1(16.7,15.5)
  Bottom w0.127: 32.71,40.18 32.71,39.29 33.25,38.75 33.25,36.04 33.02,35.81 32.26,35.81 31.81,36.26 30.43,36.26 29.84,35.67 29.84,34 R196.1
  Bottom w0.2: R88.2 35.54,40.73 v1(34.78,39.97) 34.57,40.18 30.77,40.18 30.25,40.69 27.4,40.69 26.94,40.24 26.94,36.54 25.3,34.9 21.3,34.9 20.7,35.5 16.25,35.5 16.07,35.32 16.07,33.32 R47.1
/Supply/VDDQ_SEN_+: length 5.7
  Top w0.127: NT2.1 v1(12.67,52)
  Bottom w0.1: 12.81,48.94 12.81,49.44 12.94,49.56 12.94,50.66 13.75,51.48 13.75,51.53 arc(13.71,51.63) 13.6,51.67 13.55,51.67 arc(13.44,51.72) 13.4,51.83 arc(13.44,51.93) 13.55,51.97 13.6,51.97 arc(13.71,52.02) 13.75,52.12 13.75,52.17 13.56,52.36 13.04,52.36 v1(12.67,52)
/Supply/VDDQ_SEN_-: length 5.7
  Top w0.127: NT4.1 v1(12.65,53)
  Bottom w0.1: 13.31,48.94 13.31,49.44 13.19,49.56 13.19,50.56 14,51.37 14,52.28 13.66,52.61 13.04,52.61 v1(12.65,53)
GND: length 918.9
  Top w0.1: R34.2 v1(132.73,16.62) ; 51.22,57.42 v1(51.24,57.44) ; v1(67.6,51.95) 67.6,51.93 ; R16.2 42.81,8.98 v1(42.8,9) ; 85.61,34.96 85.69,34.96 v1(85.7,34.95) ; v1(63.5,53.36) 63.58,53.44 ; 119.18,16.46 v1(117.97,16.46) ; 85.68,38.9 85.68,38.91 v1(85.66,38.93) ; 83.61,33.97 v1(83.61,33.94) ; v1(89.9,47.5) 89.84,47.44 ; 85.58,37 v1(85.7,37) ; R15.1 39.12,8.98 v1(39.1,9) ; 29.14,79.51 v1(29.15,79.5) ; C5.2 v1(130.04,20.27) ; v1(89.9,48.5) 89.84,48.44 ; U15.F7 v1(83.64,37.94) ; 89.6,36.98 v2(89.64,36.98)
  Top w0.12: R11.2 113.62,47.27 v1(113.3,46.95) ; R13.2 115.71,47.32 v1(115.93,47.1)
  Top w0.127: v2(88.64,40.94) U15.J2 ; 77.64,51.94 v1(77.64,51.96) ; 87.64,54.94 v1(87.66,54.94) ; v1(80.78,55.94) 80.77,55.93 80.63,55.93 ; 83.64,56.94 v1(83.66,56.94) ; 28.91,31.13 v1(28.91,31.13) ; v1(38.65,28.5) 38.52,28.63 U7.21 ; v2(89.6,40.95) 89.6,40.98 U15.J1 ; U15.V15 v1(74.64,50.94) ; 89.64,58.94 v1(89.66,58.94) ; 72.64,56.94 v1(72.64,56.96) ; 87.6,41.98 v2(87.6,41.95) ; 70.64,52.94 v1(70.62,52.94) ; 73.64,53.94 v1(73.64,53.96) ; 65.64,57.94 v1(65.61,57.94) ; 88.64,51.94 v1(88.66,51.94) ; v1(86.46,57.94) 86.46,57.76 ; v1(68.31,59.26) 68.32,59.26 ; 76.64,54.94 v1(76.64,54.96) ; U7.10 35.03,24.07 v1(35.1,24) ; 75.64,57.94 v1(75.64,57.96) ; 81.64,52.94 v1(81.66,52.94) ; 84.64,53.94 v1(84.66,53.94) ; v1(85.66,50.85) 85.55,50.85
  Top w0.15: 26.45,31.19 25.74,31.19 ; C192.2 32.56,36.27 v1(32.53,36.24) ; 46.66,27.39 46.59,27.46 v1(45.83,27.46) ; C186.2 25.84,28.59 v1(25.83,28.6) ; C291.2 55.7,30.3 v1(55.8,30.2) ; v1(10.29,21.5) 10.3,21.49 C175.2 ; v1(37.3,36.26) 37.29,36.27 C195.2 ; v1(36.12,20.77) 36.11,20.76 C184.2 ; C196.2 27.82,23.62 v1(27.83,23.62) ; v1(49.16,30.23) 49.18,30.25 C289.2 ; C197.2 25.74,32.25 v1(25.74,32.24) ; U6.29 52.19,44.39 v1(52.29,44.49) ; v1(12,16.4) 11.9,16.5 R128.2 ; R129.1 v1(32.78,20.2) ; v1(45.83,30.46) 45.88,30.5 C288.2 ; 49.5,58.35 v1(49.51,58.34) ; C290.2 51.7,30.24 v1(51.68,30.22) ; C230.2 45.88,25.12 v1(45.35,25.12) ; C187.2 36.12,21.84 v1(36.14,21.86) ; C172.2 10.93,21.5 ; IC1.8 10.82,21.58 ; v1(52.4,28.52) C287.2